# Altium PCB PCB2-v2.PcbDoc (part 1 of 8)
Units mil, origin at the board's own origin, x right, y up, seen from the top; angles counter-clockwise.
Board outline 4330.71 x 4330.71 mil, 2 copper layers (Top Layer, Bottom Layer); 153 components, 127 nets, 575 pads, 933 vias.
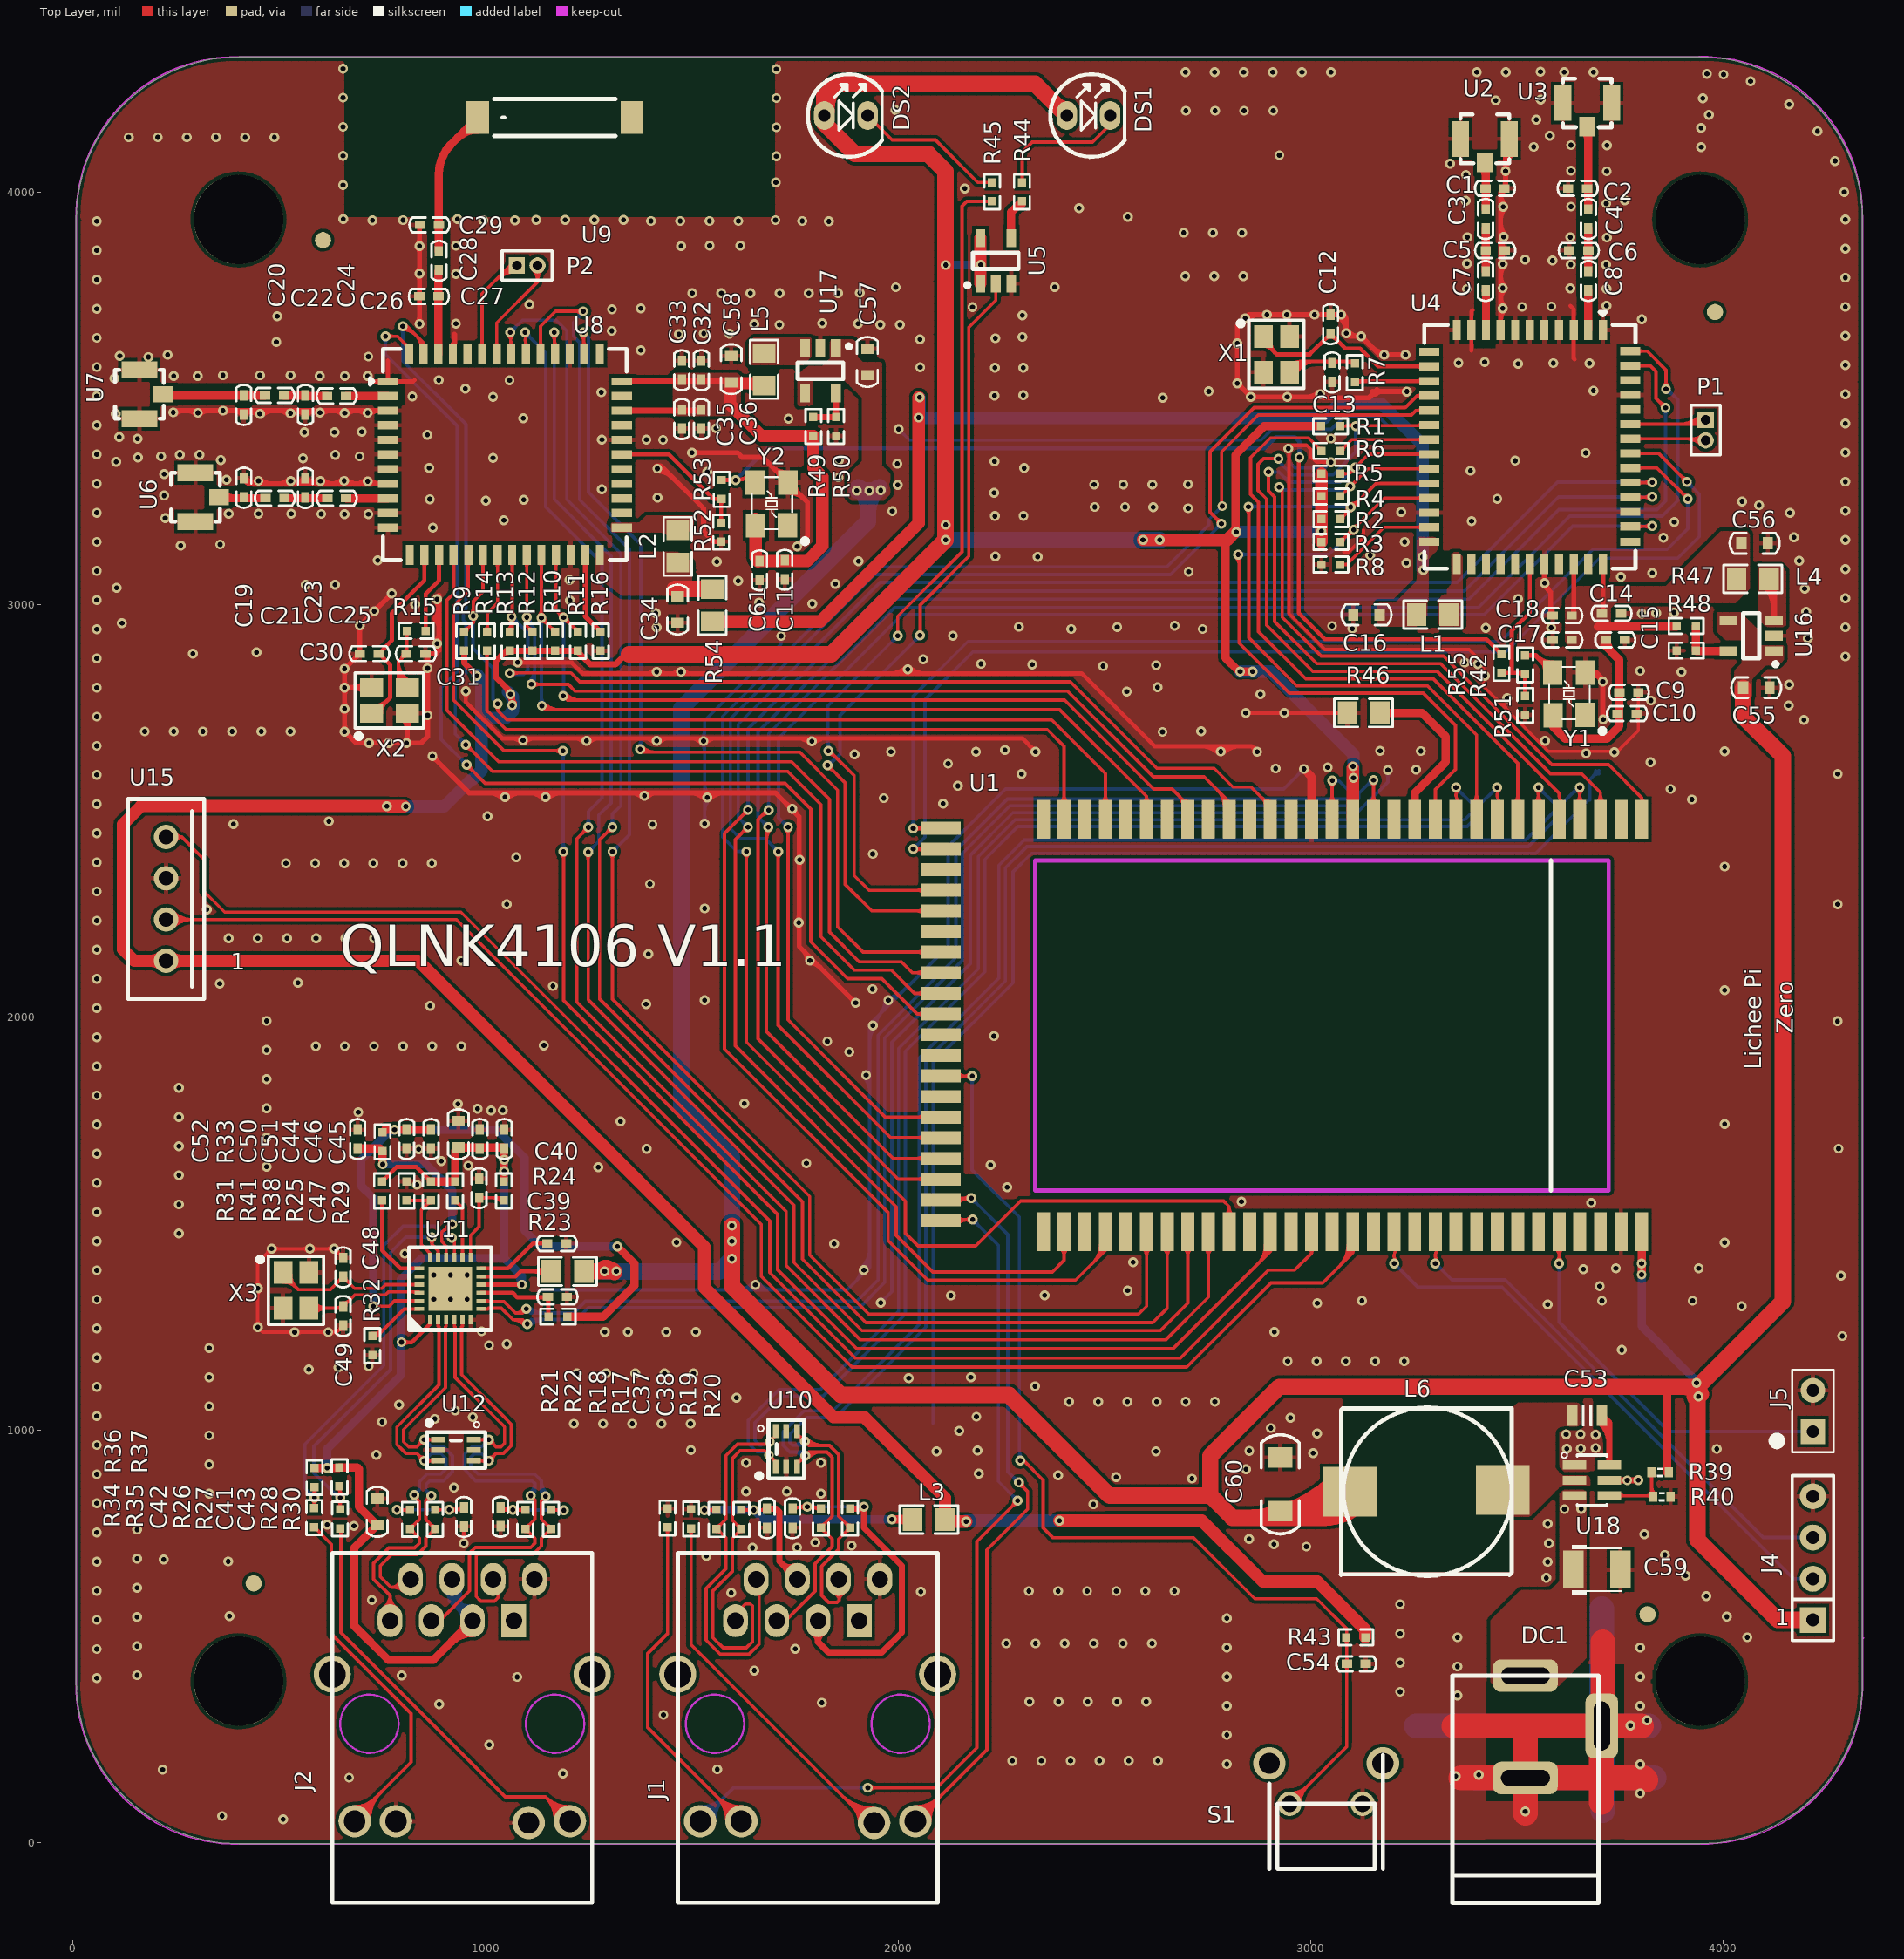
[diagram p0: Top Layer view]
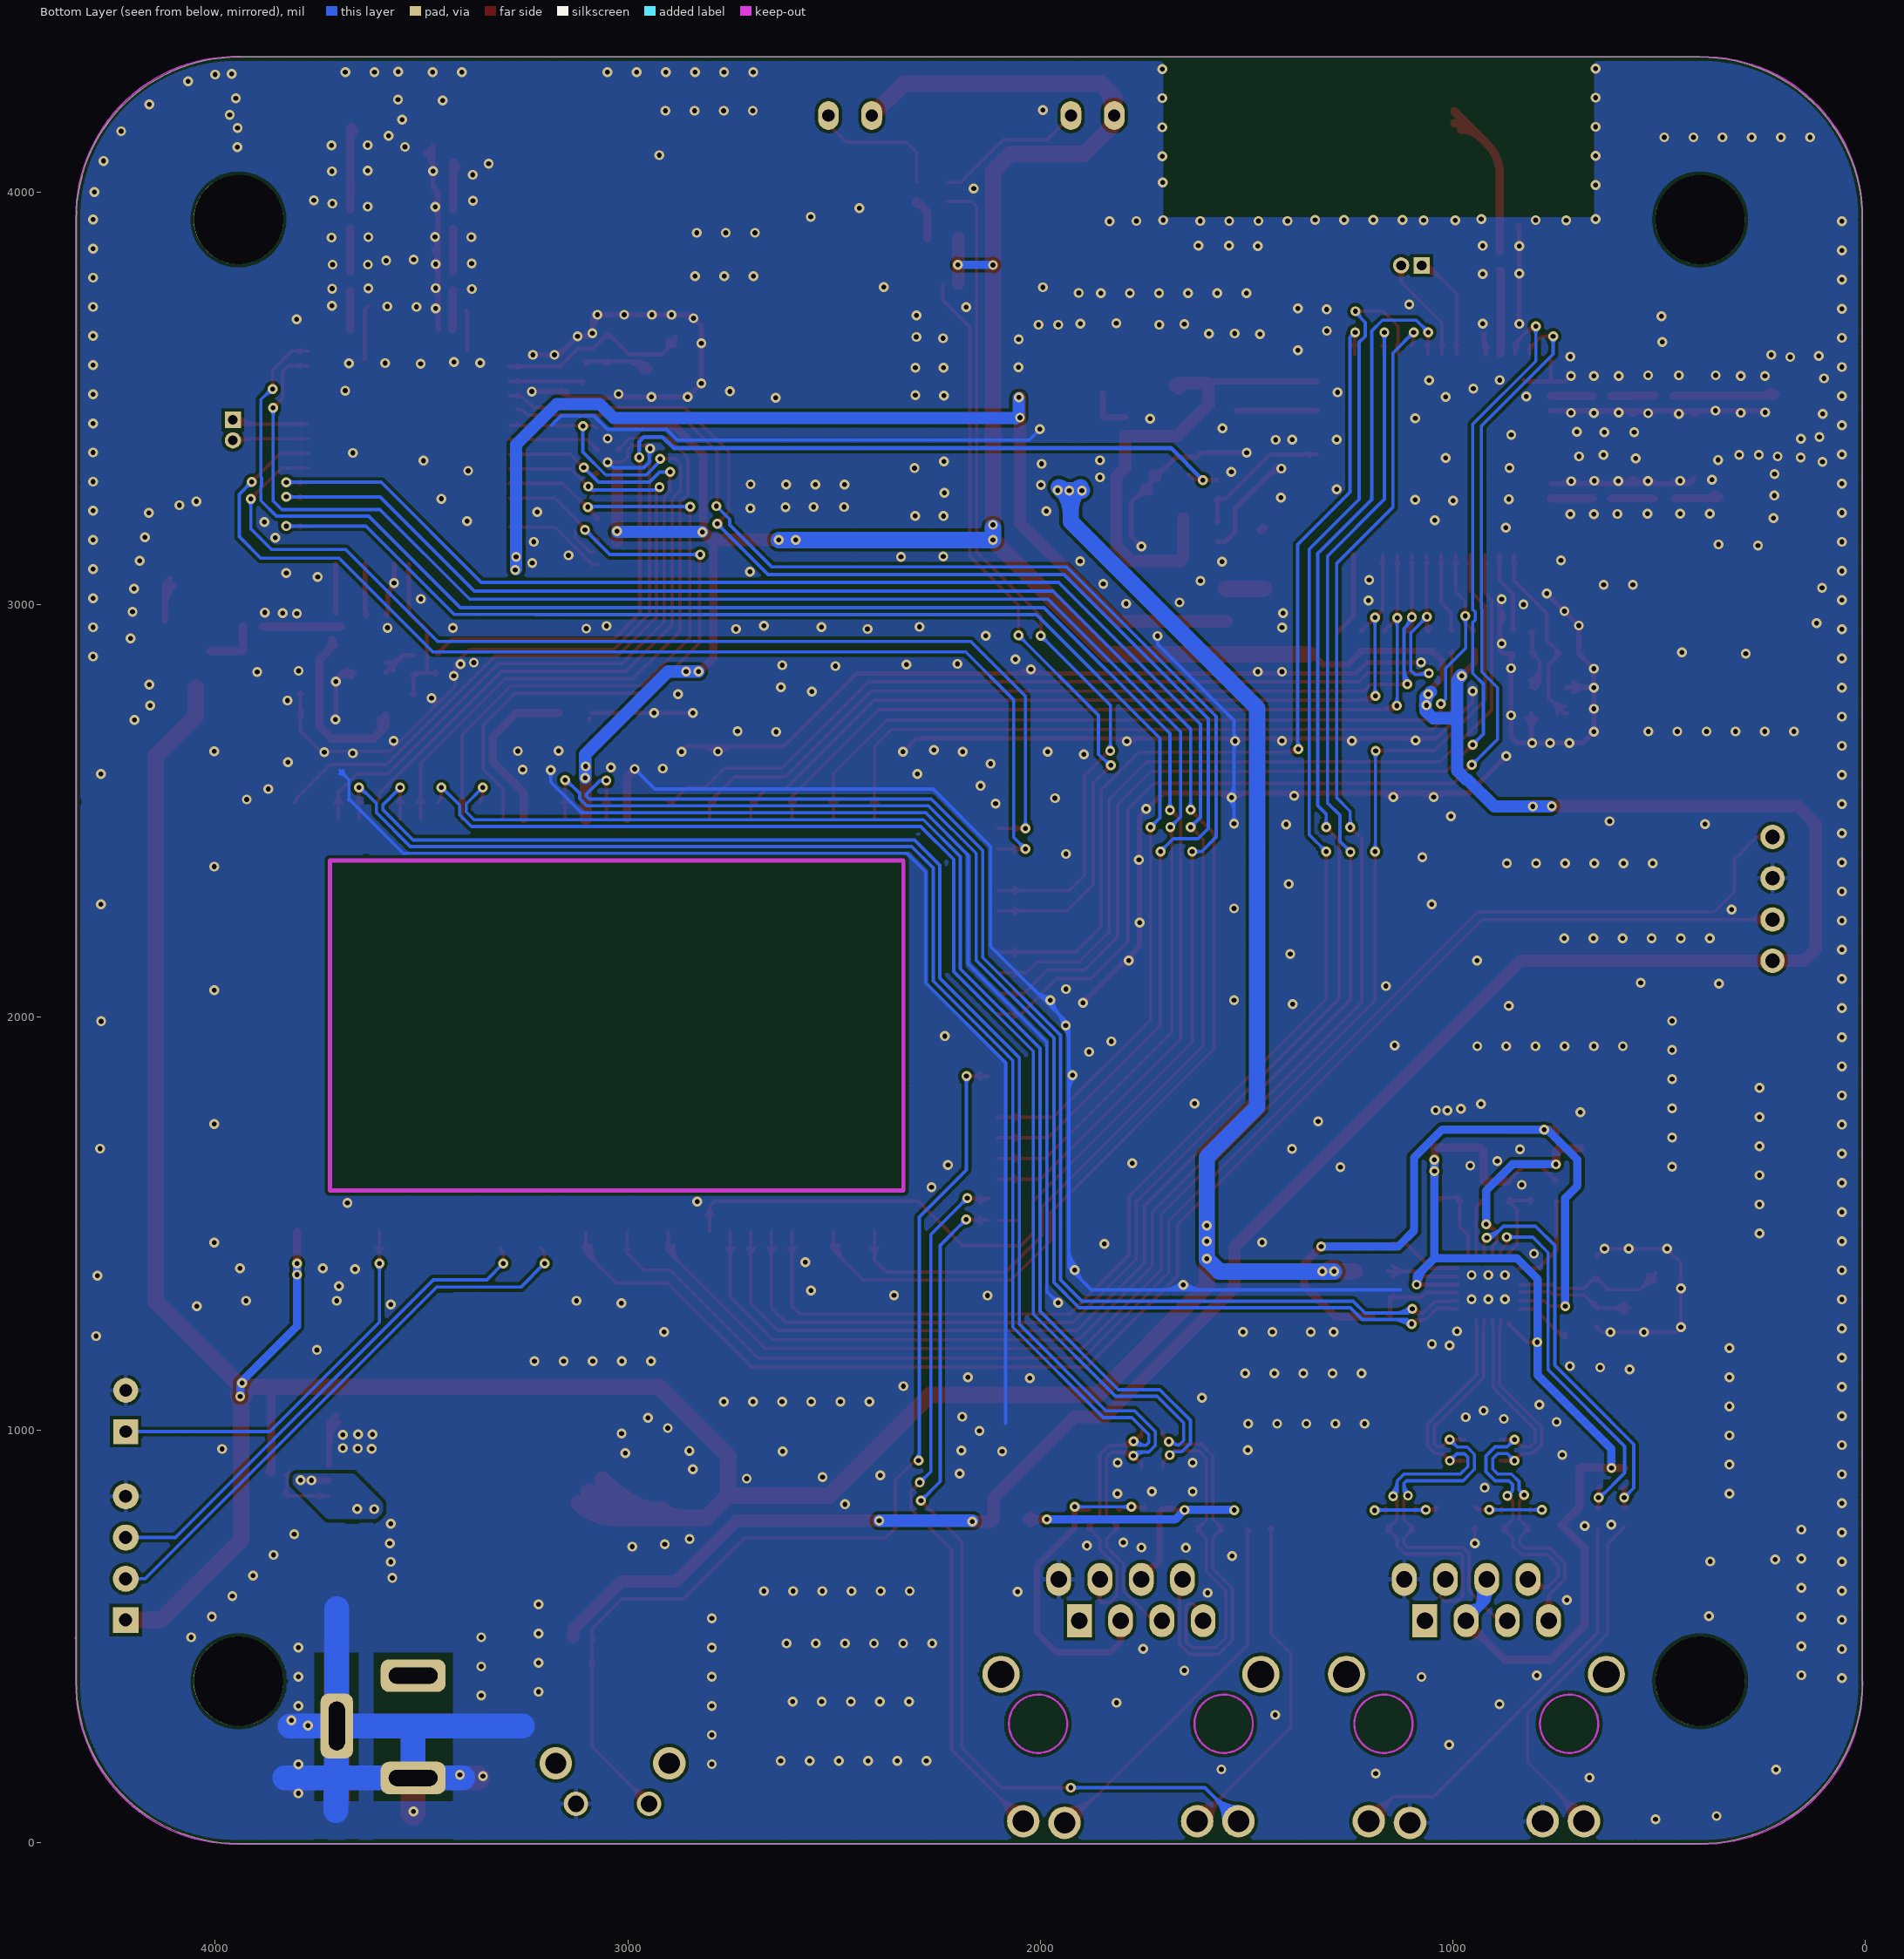
[diagram p1: Bottom Layer view, seen from below]
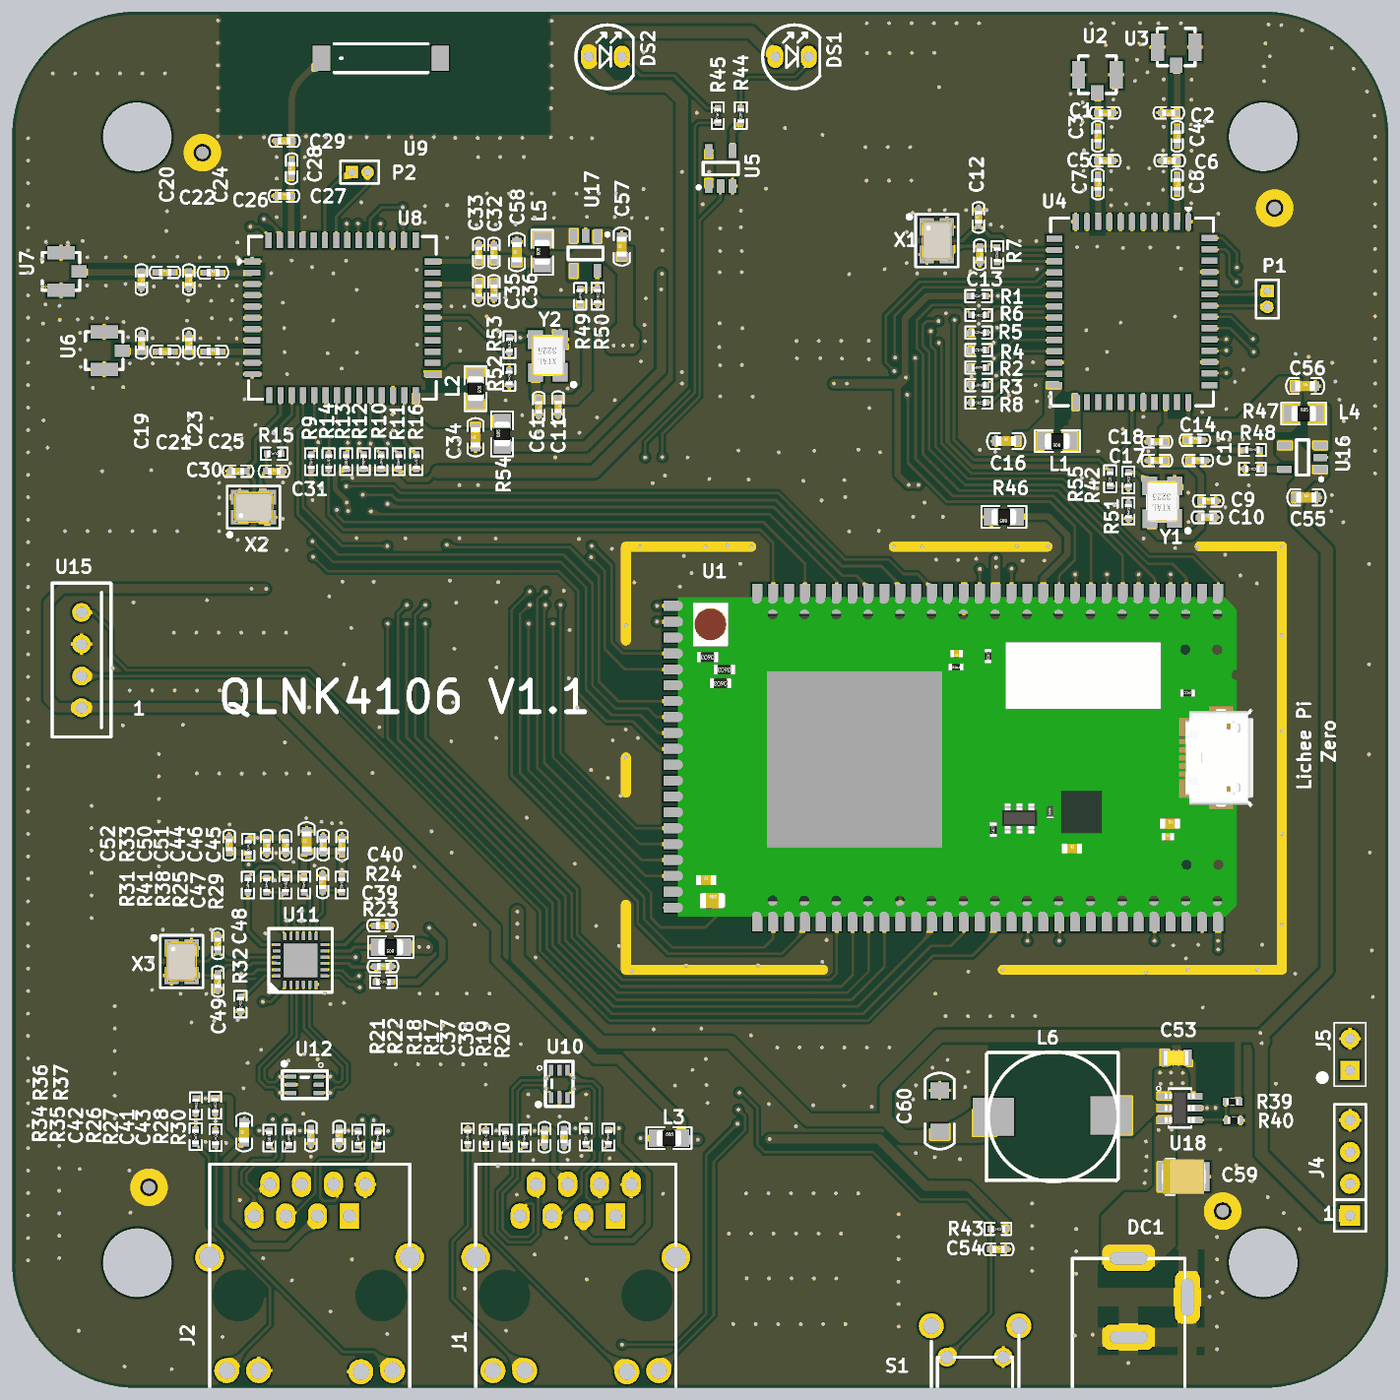
[diagram p9: 3D render of the assembled board from above, using the file's embedded part models]

## Layer stack, top to bottom
Top Layer: signal copper 1.4
Dielectric: dielectric 12.6, FR-4, Dk 4.8
Bottom Layer: signal copper 1.4

## Board outline
6.89,390.59 ccw(c400.59,390.59) 400.59,-3.11 3943.89,-3.11 ccw(c3943.89,390.59) 4337.59,390.59 4337.59,3933.9 ccw(c3943.89,3933.9) 3943.89,4327.6 400.59,4327.6 ccw(c400.59,3933.9) 6.89,3933.9

## Design rules (kind name [scope] priority, off if disabled: settings)
Clearance poly [(IsPolygon)] p1: gap=10
Clearance Clearance_1 [All] p2: gap=8
DiffPairsRouting DiffPair_DiffPairsRouting [InDifferentialPairClass('100')] p1: maxlimit=8 minlimit=8 mostfreqgap=8 maxuncoupledlength=500
DiffPairsRouting DiffPair_DiffPairsRouting_1 [InDifferentialPair ('ETH1_TX')] p2: maxlimit=8 minlimit=8 mostfreqgap=8 maxuncoupledlength=500
DiffPairsRouting [All] p3: maxlimit=10 minlimit=4 mostfreqgap=6 maxuncoupledlength=500
MatchedLengths DiffPair_MatchedLengths [InDifferentialPairClass('100')] p1: tolerance=1000 checknetsindiffpair=TRUE checkdiffpairvsdiffpair=FALSE checkothers=FALSE
MatchedLengths DiffPair_MatchedLengths_1 [InDifferentialPair ('ETH1_TX')] p2: tolerance=1000 checknetsindiffpair=TRUE checkdiffpairvsdiffpair=FALSE checkothers=FALSE
PlaneClearance [All] p1: clearance=7
PlaneConnect [All] p1: planeconnectstyle=Direct reliefexpansion=20 reliefentries=4 reliefconductorwidth=10 reliefairgap=10
PolygonConnect PolygonConnect_1 [InNet('GND') vs (InPadClass('All Pads'))] p1: connectstyle=Relief reliefconductorwidth=10 reliefentries=4 polygonreliefangle="90 Angle"
PolygonConnect [All] p2: connectstyle=Direct reliefconductorwidth=10 reliefentries=4 polygonreliefangle="90 Angle"
RoutingVias [All] p1: holewidth=11.81 width=23.62 viastyle="Through Hole" minholewidth=11.81 minwidth=23.62 maxholewidth=28 maxwidth=50
SolderMaskExpansion [All] p1: expansion=4
TestPointUsage FabricationTestPointUsage [All] p1: valid=0 allowmultiple=FALSE
Testpoint FabricationTestpoint [All] p1: side=3 testpointundercomponent=TRUE minsize=40 maxsize=100 preferedsize=60 minholesize=0 maxholesize=40 preferedholesize=32 testpointgrid=1 style=297 order=0123456789
Width DiffPair_Width [InDifferentialPairClass('100')] p1: maxlimit=8 minlimit=8 preferedwidth=8
Width DiffPair_Width_1 [InDifferentialPair('ETH1_TX')] p2: maxlimit=8 minlimit=8 preferedwidth=8
Width [All] p3: maxlimit=60 minlimit=8 preferedwidth=8
16 further rules are at their usual default settings.

## Classes and differential pairs
component class Sheet1: R46 U1
differential pair class 100: ETH0RX ETH1_RX ETH1_TX ETH_0_TX USB USB_ETH
component class Sheet2: C1 C2 C3 C4 C5 C6 C7 C8 C9 C10 C12 C13 C14 C15 C16 C17 C18 C55 C56 L1 L4 P1 R1 R2 R3 R4 R5 R6 R7 R8 R42 R47 R48 R51 R54 U2 U3 U4 U16 X1 Y1
component class Sheet3: C11 C19 C20 C21 C22 C23 C24 C25 C26 C27 C28 C29 C30 C31 C32 C33 C34 C35 C36 C57 C58 C61 L2 L5 P2 R9 R10 R11 R12 R13 R14 R15 R16 R49 R50 R52 R53 R55 U6 U7 U8 U9 U17 X2 Y2
component class Sheet4: C37 C38 C39 C40 C41 C42 C43 C44 C45 C46 C47 C48 C49 C50 C51 C52 J1 J2 L3 R17 R18 R19 R20 R21 R22 R23 R24 R25 R26 R27 R28 R29 R30 R31 R32 R33 R34 R35 R36 R37 R38 R41 U10 U11 U12 X3
component class Sheet5: DS1 DS2 J4 J5 R44 R45 U5 U15
component class Sheet6: C53 C54 C59 C60 DC1 L6 R39 R40 R43 S1 U18
differential pair ETH0RX: +ETH0RX_P -ETH0RX_N
differential pair ETH1_RX: +ETH1_RX_P -ETH1_RX_N
differential pair ETH1_TX: +ETH1_TX_P -ETH1_TX_N
differential pair ETH_0_TX: +ETH_0_TX_P -ETH_0_TX_N
differential pair USB_ETH: +USB_ETH_P -USB_ETH_N

## Components (designator, comment, footprint, x,y, rotation, side; value= is the part's Value field where it differs from the comment)
C1 "NC" 0402C 3469.48,4009.39 r180 top
C2 "NC" 0402C 3669.96,4009.39 r180 top
C3 "10p" 0402C 3423.76,3912.31 r90 top
C4 "10p" 0402C 3672.71,3958.31 r270 top
C5 "NC" 0402C 3470.04,3858.69 r180 top
C6 "NC" 0402C 3672.71,3858.69 r180 top
C7 "10p" 0402C 3423.76,3807.89 r270 top
C8 "10p" 0402C 3672.71,3807.89 r270 top
C9 "1uF" 0402C 3748.03,2787.89 r0 top
C10 "100pF" 0402C 3743.89,2736.22 r0 top
C11 "1uF" 0402C 1724.91,3107.81 r270 top
C12 "27p" 0402C 3047.92,3657.15 r90 top
C13 "27p" 0402C 3051.85,3586.29 r270 top
C14 "1uF" 0402C 3706.04,2979.06 r0 top
C15 "4.7uF" 0402C 3715.11,2914.91 r0 top
C16 "4.7uF" 0603C 3103.04,2976.05 r0 top
C17 "4.7uF" 0402C 3632.43,2914.91 r180 top
C18 "1uF" 0402C 3632.43,2973.96 r180 top
C19 "NC" 0402C 413.74,3306.7 r270 top
C20 "NC" 0402C 413.28,3507.4 r270 top
C21 "10p" 0402C 511.94,3258.33 r180 top
C22 "10p" 0402C 464.81,3507.4 r0 top
C23 "NC" 0402C 562.74,3306.13 r270 top
C24 "NC" 0402C 562.91,3507.4 r270 top
C25 "10p" 0402C 615.8,3258.16 r0 top
C26 "10p" 0402C 615.68,3506.16 r0 top
C27 "NC" 0402C 839.26,3747.7 r0 top
C28 "10p" 0402C 886.5,3810.7 r90 top
C29 "NC" 0402C 886.5,3920.93 r180 top
C30 "27p" 0402C 740.83,2881.56 r180 top
C31 "27p" 0402C 807.76,2881.56 r0 top
C32 "1uF" 0402C 1522.63,3545.38 r90 top
C33 "4.7uF" 0402C 1475.39,3545.38 r90 top
C34 "4.7uF" 0603C 1465.24,2956.37 r90 top
C35 "4.7uF" 0402C 1475.39,3473.27 r270 top
C36 "1uF" 0402C 1522.63,3473.27 r270 top
C37 "104" 0402C 1682.18,762.68 r90 top
C38 "104" 0402C 1743.62,762.68 r90 top
C39 "104" 0402C 1150.85,1322.36 r0 top
C40 "104" 0402C 1195.14,1451.62 r180 top
C41 "104" 0402C 946.96,765.85 r90 top
C42 "1uF" 0603C 736.89,769.24 r90 top
C43 "104" 0402C 1035.87,766.34 r90 top
C44 "4.7uF" 0603C 933.54,1684.71 r90 top
C45 "104" 0402C 1044.98,1681.81 r90 top
C46 "104" 0402C 985.76,1681.81 r90 top
C47 "104" 0402C 983.93,1562.66 r90 top
C48 "27pF" 0402C 654.22,1417 r270 top
C49 "27pF" 0402C 654.22,1298.89 r270 top
C50 "104" 0402C 808.09,1727.81 r270 top
C51 "104" 0402C 867.31,1727.81 r270 top
C52 "104" 0402C 689.65,1681.81 r90 top
C53 "100nF" CAP_0805 3669.96,1035.11 r180 top
C54 "0.1uF" 0402C 3087.29,432.74 r0 top
C55 "4.7uF" 0603C 4047.92,2798.89 r0 top
C56 "10uF" 0603C 4043.98,3149.28 r0 top
C57 "4.7uF" 0603C 1925.24,3556.63 r90 top
C58 "10uF" 0603C 1595.16,3539.04 r90 top
C59 "22uF" CAP_TAN_B1210 3693.59,661.09 r0 top
C60 "47uF" 1206C 2925.87,802.82 r90 top
C61 "100pF" 0402C 1663.89,3106.34 r270 top
DC1 "12V" DC005-2.0MM 3520.36,404.24 r270 top locked
DS1 "BlueLED" LED-5 2408.67,4185.85 r0 top locked
DS2 "GreenLED" LED-5 1820.83,4185.85 r0 top locked
J1 "HR9111105A" RJ45-HR9111105A 1735.65,207.45 r180 top locked
J2 "HR9111105A" RJ45-HR9111105A 898.16,207.45 r180 top locked
J4 "DBG" SIP4-2.54 4217.21,539.04 r90 top
J5 "FLASH" CN2 4217.21,995.74 r180 top
L1 "2.2uH" 0805R 3335.32,2975.89 r180 top
L2 "NC" 0805R 1465.24,3180.77 r270 top
L3 "10uH" 0805R 2034.5,782.68 r0 top
L4 "2.2uH" 0805R 4032.17,3062.66 r0 top
L5 "2.2uH" 0805R 1674.93,3531.28 r90 top
L6 "3.3uH" SLF10145 3095.16,850.07 r0 top
P1 "U4DBG" MHDR1X2 3957.37,3448.49 r270 top
P2 "U8DBG" MHDR1X2 1075.48,3822.51 r0 top
R1 "30K" 0402R 3047.92,3432.74 r180 top
R2 "30K" 0402R 3048.73,3207.58 r180 top
R3 "30K" 0402R 3048.73,3152.46 r180 top
R4 "30K" 0402R 3048.73,3262.7 r180 top
R5 "30K" 0402R 3048.73,3317.81 r180 top
R6 "0R" 0402R 3048.73,3372.93 r0 top
R7 "0R" 0402R 3106.97,3562.66 r270 top
R8 "10K" 0402R 3048.73,3097.34 r0 top
R9 "30K" 0402R 947.83,2911.52 r270 top
R10 "30K" 0402R 1168.3,2911.52 r270 top
R11 "30K" 0402R 1223.42,2911.52 r270 top
R12 "30K" 0402R 1113.19,2911.52 r270 top
R13 "30K" 0402R 1058.07,2911.52 r270 top
R14 "0R" 0402R 1002.95,2911.52 r90 top
R15 "0R" 0402R 831.38,2936.68 r0 top
R16 "10K" 0402R 1278.54,2911.52 r90 top
R17 "51" 0402R 1619.83,782.83 r270 top
R18 "51" 0402R 1559.47,782.83 r270 top
R19 "51" 0402R 1812.39,785.94 r270 top
R20 "51" 0402R 1883.25,785.94 r270 top
R21 "510R" 0402R 1440.63,786.52 r270 top
R22 "510R" 0402R 1497.87,783.99 r270 top
R23 "0R" 0402R 1175.03,1274.35 r180 top
R24 "0R" 0805R 1237.73,1384.13 r180 top
R25 "10K" 0402R 925.87,1579.21 r270 top
R26 "51" 0402R 816.42,782.88 r270 top
R27 "51" 0402R 877.25,782.88 r270 top
R28 "51" 0402R 1095.94,782.88 r270 top
R29 "0R" 0402R 1043.98,1579.21 r270 top
R30 "51" 0402R 1158.32,782.88 r270 top
R31 "10K" 0402R 748.7,1579.21 r270 top
R32 "2.49K 1%" 0402R 725.08,1204.4 r90 top
R33 "0R" 0402R 749.87,1698.36 r270 top
R34 "5.1K" 0402R 584.18,787.38 r90 top
R35 "5.1K" 0402R 646.93,783.93 r90 top
R36 "510R" 0402R 585.02,884.43 r90 top
R37 "510R" 0402R 645.55,885.99 r90 top
R38 "10K" 0402R 866.82,1579.21 r90 top
R39 "54.9K" RES_0402 3847.13,897.31 r0 top
R40 "10.2K" RES_0402 3851.07,838.26 r180 top
R41 "10K" 0402R 807.76,1579.21 r270 top
R42 "0R" 0402R 3519.69,2854.33 r90 top
R43 "10K" 0402R 3109.25,496.89 r0 top
R44 "100" 0402R 2299.89,4000.83 r270 top
R45 "100" 0402R 2227.36,4000.83 r270 top
R46 "0R" 0805R 3167.35,2738.06 r180 top
R47 "450k" 0402R 3910.12,2948.49 r180 top
R48 "100k" 0402R 3910.1,2888.77 r0 top
R49 "450k" 0402R 1794.11,3432.17 r270 top
R50 "100k" 0402R 1849.23,3432.17 r90 top
R51 "NC" 0402R 3519.69,2755.91 r90 top
R52 "NC" 0402R 1570.87,3175.89 r90 top
R53 "0R" 0402R 1571.89,3279.53 r90 top
R54 "NC" 0805R 1549.21,2959.49 r90 top
R55 "NC" 0402R 3462.21,2857.87 r270 top
S1 "KEY" SKHHLVA010 3037.13,93.54 r0 top locked
U1 "Lichee_Zero" Lichee_Zero_Full 2351.96,1480.2 r90 top
U2 "IPEX" IPEX 3421.91,4070.25 r0 top
U3 "IPEX" IPEX 3670.05,4157.24 r0 top
U4 "AP6398S" AP6398SR3 3530.98,3382.72 r180 top locked
U5 "741G08" LC-SOT-23-5 2236.37,3833.83 r270 top
U6 "IPEX" IPEX 355.48,3260.92 r90 top
U7 "IPEX" IPEX 219.57,3510.2 r90 top
U8 "AP6398S" AP6398SR3 1046.26,3364.28 r270 top locked
U9 "ant" AN9520 980.32,4181.1 r90 top
U10 "tpd4e1u06" TPD4E1U06 1728.69,953.39 r0 top
U11 "RTL8152" RTL8152B 914.06,1342.19 r0 top
U12 "tpd4e1u06" TPD4E1U06 928.08,950.72 r270 top
U15 "DHT12" DHT12 225.08,2287.07 r90 top
U16 "ap3410" LC-SOT-23-5 4067.6,2924.87 r0 top
U17 "ap3410" LC-SOT-23-5 1811.29,3567.11 r90 top
U18 "TPS563201DDC" SOT23-6 3681.78,877.63 r90 top
X1 "XTAL-4pin" LC-SMD-3225_4P 2916.81,3607.13 r270 top
X2 "XTAL-4pin" LC-SMD-3225_4P 766.6,2768.11 r0 top
X3 "25M" LC-SMD-3225_4P 540.04,1338.26 r270 top
Y1 "32.768K" 3225 3625.98,2783.89 r180 top
Y2 "32.768K" 3225 1692.91,3244.09 r180 top
